# Altium PCB Control Logic.PcbDoc (continued)
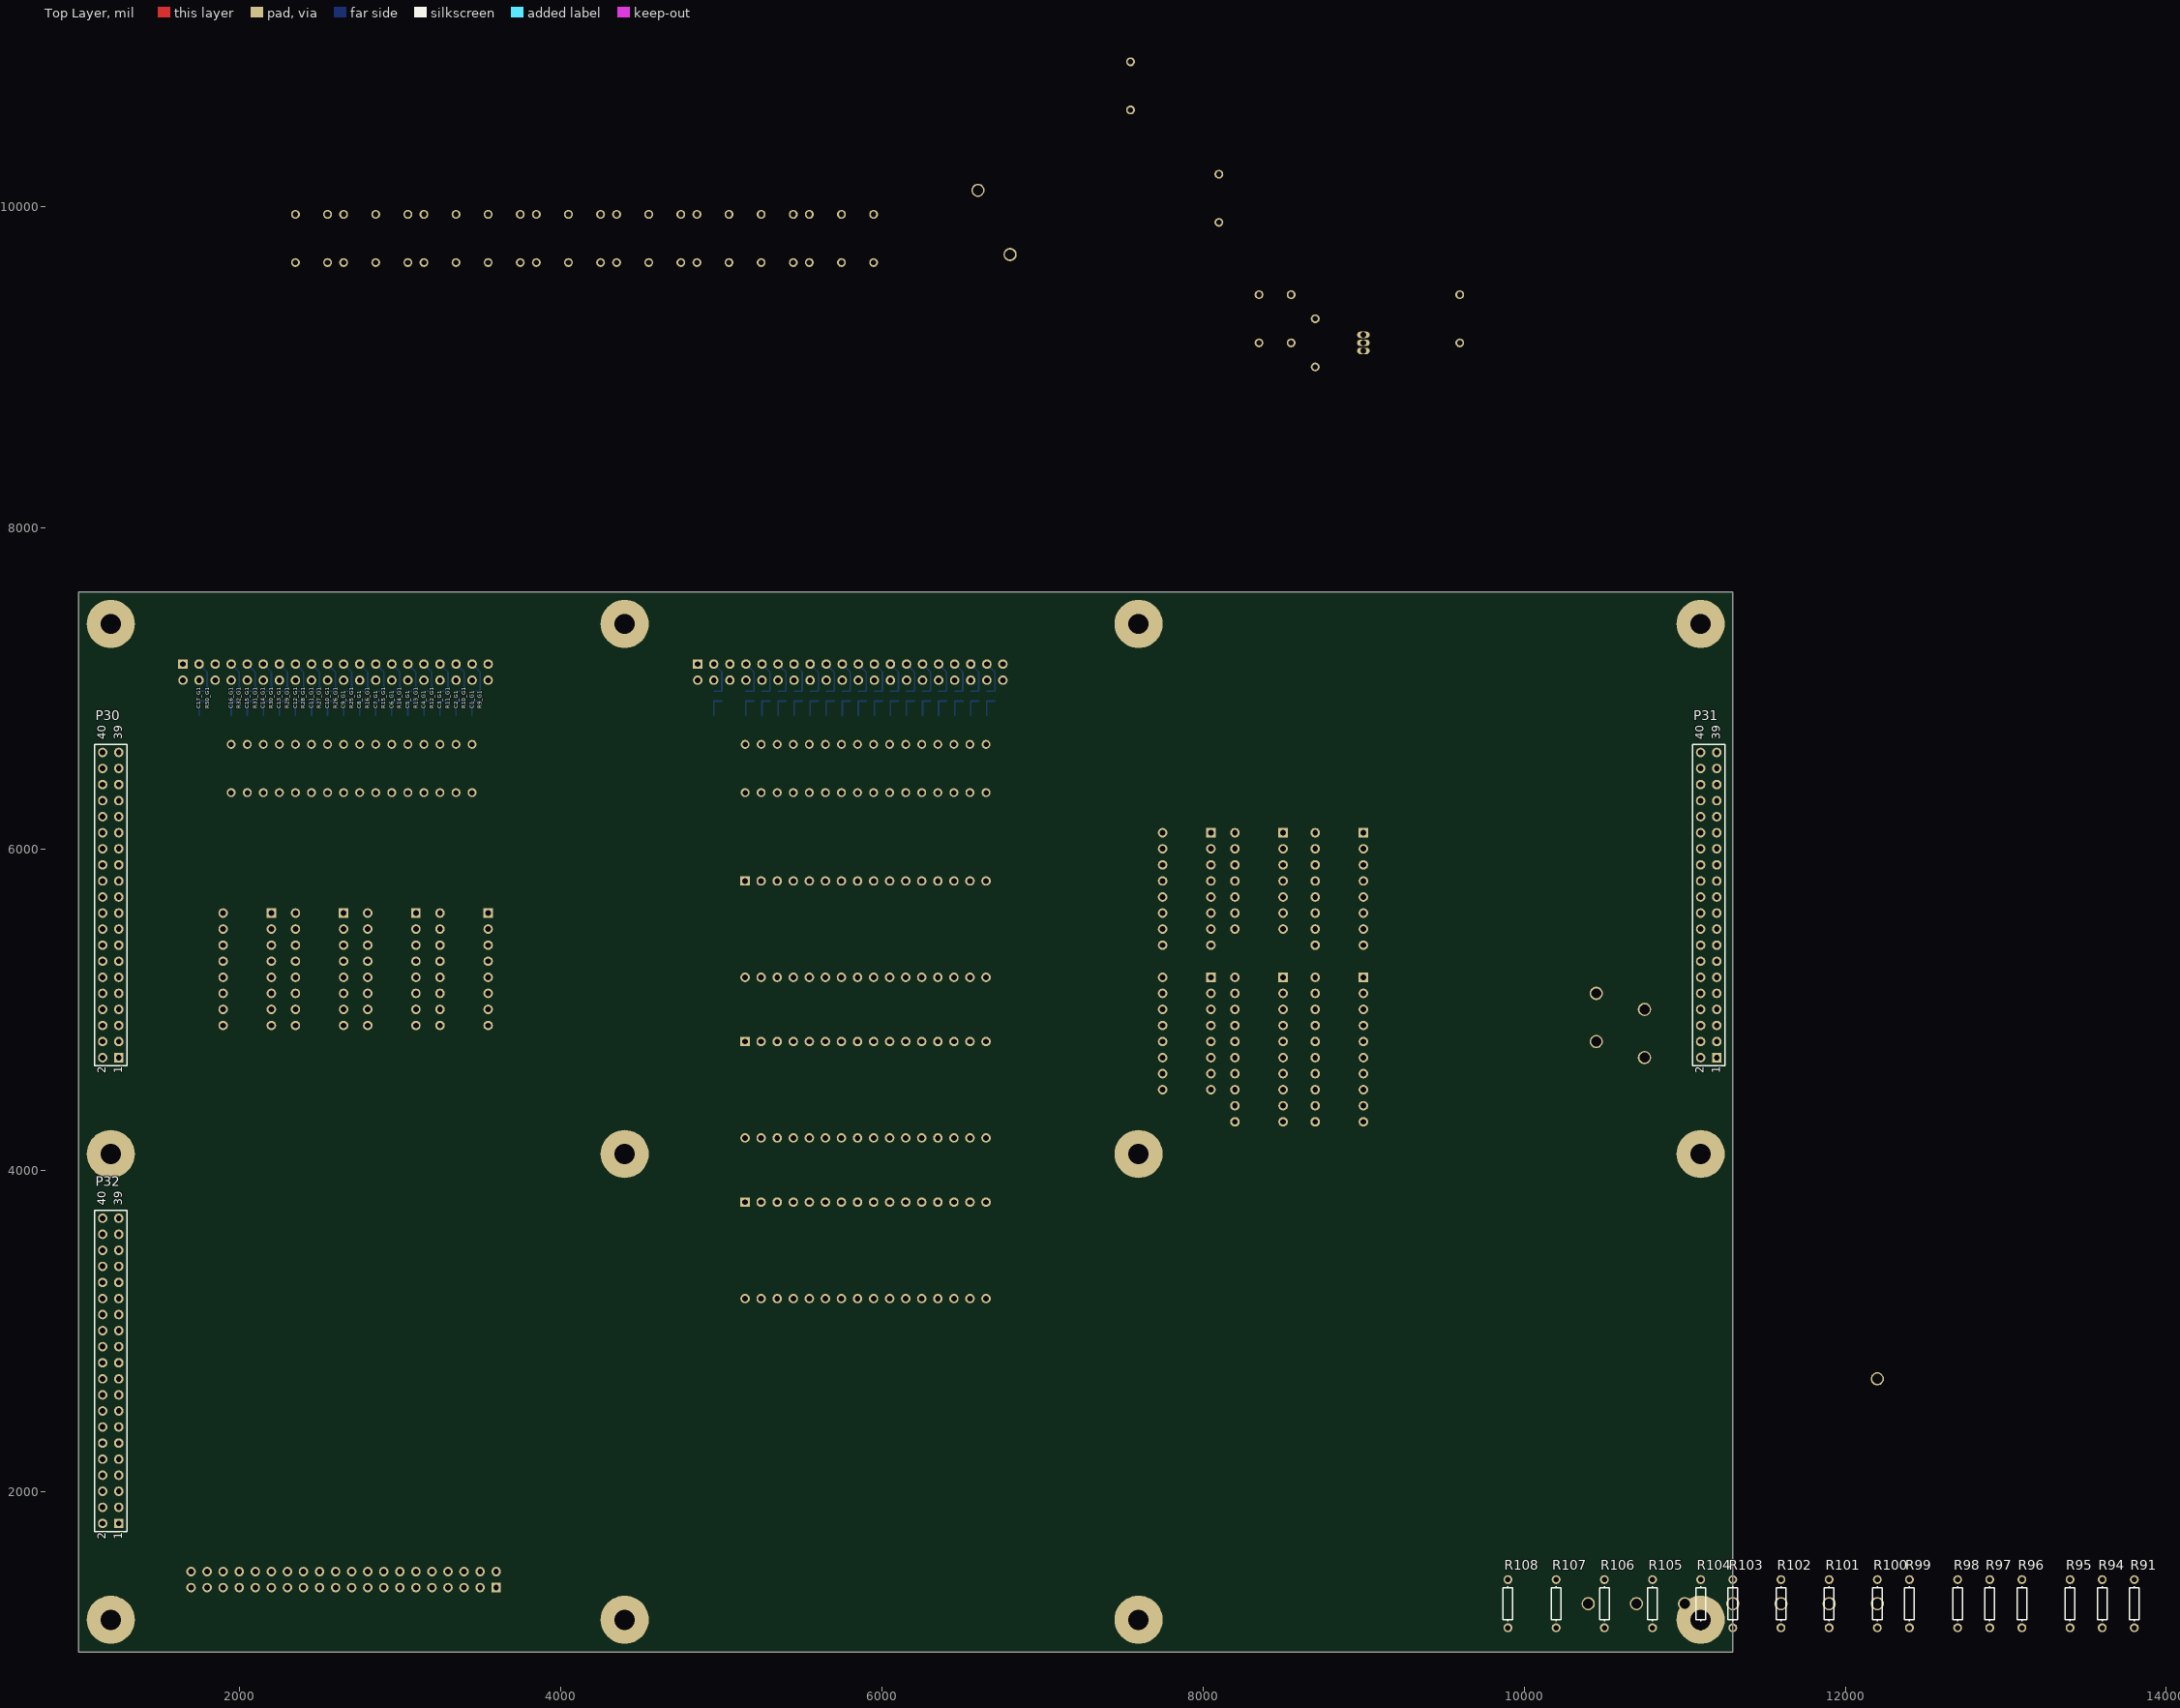
[diagram p0: Top Layer view]
## Components (designator, comment, footprint, x,y, rotation, side; value= is the part's Value field where it differs from the comment) (continued)
R63 "Res1" AXIAL-0.3 5450,6500 r90 bottom value=0
R64 "Res1" AXIAL-0.3 5350,6500 r90 bottom value=0
R65 "Res1" AXIAL-0.3 5250,6500 r90 bottom value=0
R66 "Res1" AXIAL-0.3 5150,6500 r90 bottom value=0
R67 "Res1" AXIAL-0.3 3150,9800 r90 bottom value=10k
R68 "Res1" AXIAL-0.3 4550,9800 r90 bottom value=10k
R69 "Res1" AXIAL-0.3 3050,9800 r90 bottom value=10k
R70 "Res1" AXIAL-0.3 4350,9800 r90 bottom value=10k
R71 "Res1" AXIAL-0.3 2850,9800 r90 bottom value=10k
R72 "Res1" AXIAL-0.3 4250,9800 r90 bottom value=10k
R73 "Res1" AXIAL-0.3 2650,9800 r90 bottom value=10k
R74 "Res1" AXIAL-0.3 4050,9800 r90 bottom value=10k
R75 "Res1" AXIAL-0.3 2550,9800 r90 bottom value=10k
R76 "Res1" AXIAL-0.3 2350,9800 r90 bottom value=10k
R77 "Res1" AXIAL-0.3 8550,9300 r90 bottom value=10k
R78 "Res1" AXIAL-0.3 8700,9150 r90 bottom value=10k
R79 "Res1" AXIAL-0.3 3850,9800 r90 bottom value=10k
R80 "Res1" AXIAL-0.3 5950,9800 r90 bottom value=10k
R81 "Res1" AXIAL-0.3 3750,9800 r90 bottom value=10k
R82 "Res1" AXIAL-0.3 5750,9800 r90 bottom value=10k
R83 "Res1" AXIAL-0.3 3550,9800 r90 bottom value=10k
R84 "Res1" AXIAL-0.3 5550,9800 r90 bottom value=10k
R85 "Res1" AXIAL-0.3 3350,9800 r90 bottom value=10k
R86 "Res1" AXIAL-0.3 5450,9800 r90 bottom value=10k
R87 "Res1" AXIAL-0.3 5250,9800 r90 bottom value=10k
R88 "Res1" AXIAL-0.3 5050,9800 r90 bottom value=10k
R89 "Res1" AXIAL-0.3 4850,9800 r90 bottom value=10k
R90 "Res1" AXIAL-0.3 4750,9800 r90 bottom value=10k
R91 "Res1" AXIAL-0.3 13800,1300 r90 top value=0
R92 "Res1" AXIAL-0.3 9600,9300 r90 bottom value=1k
R93 "Res1" AXIAL-0.3 7550,10750 r90 bottom value=10k
R94 "Res1" AXIAL-0.3 13600,1300 r90 top value=0
R95 "Res1" AXIAL-0.3 13400,1300 r90 top value=0
R96 "Res1" AXIAL-0.3 13100,1300 r90 top value=0
R97 "Res1" AXIAL-0.3 12900,1300 r90 top value=0
R98 "Res1" AXIAL-0.3 12700,1300 r90 top value=0
R99 "Res1" AXIAL-0.3 12400,1300 r90 top value=0
R100 "Res1" AXIAL-0.3 12200,1300 r90 top value=0
R101 "Res1" AXIAL-0.3 11900,1300 r90 top value=0
R102 "Res1" AXIAL-0.3 11600,1300 r90 top value=0
R103 "Res1" AXIAL-0.3 11300,1300 r90 top value=0
R104 "Res1" AXIAL-0.3 11100,1300 r90 top value=0
R105 "Res1" AXIAL-0.3 10800,1300 r90 top value=0
R106 "Res1" AXIAL-0.3 10500,1300 r90 top value=0
R107 "Res1" AXIAL-0.3 10200,1300 r90 top value=0
R108 "Res1" AXIAL-0.3 9900,1300 r90 top value=0
R123 "Res1" AXIAL-0.3 8100,10050 r90 bottom value=330
R124 "Res1" AXIAL-0.3 8350,9300 r90 bottom value=10
TP1 "RU#" KSTN-5011_V 6800,9700 r180 bottom
TP2 "CLK" KSTN-5011_V 6600,10100 r180 bottom
TP3 "LM#" KSTN-5011_V 10750,5000 r180 bottom
TP4 "RST#" KSTN-5011_V 10450,4800 r180 bottom
TP5 "HT#" KSTN-5011_V 10750,4700 r180 bottom
TP6 "AT#" KSTN-5011_V 10450,5100 r180 bottom
TP7 "DBG" KSTN-5011_V 12200,2700 r180 bottom
TP8 "GND" KSTN-5011_V 10400,1300 r180 bottom
TP9 "GND" KSTN-5011_V 10700,1300 r180 bottom
TP10 "GND" KSTN-5011_V 11000,1300 r180 bottom
TP11 "GND" KSTN-5011_V 11300,1300 r180 bottom
TP12 "GND" KSTN-5011_V 11600,1300 r180 bottom
TP13 "GND" KSTN-5011_V 11900,1300 r180 bottom
TP14 "VCC" KSTN-5011_V 12200,1300 r180 bottom
U1 "SST39SF010A-70-4C-PHE" MCHP-PDIP-PH32 5900,5500 r270 bottom
U2 "SST39SF010A-70-4C-PHE" MCHP-PDIP-PH32 5900,4500 r270 bottom
U3 "SST39SF010A-70-4C-PHE" MCHP-PDIP-PH32 5900,3500 r270 bottom
U4 "SN74LS163AN" N016 7900,5750 r270 bottom
U5 "SN74LS04N" N016 7900,4850 r270 bottom
U6 "SN74LS163AN" N016 8850,5750 r270 bottom
U7 "SN74LS04N" N014 8350,5800 r270 bottom
U8 "SN74LS02N" N020 8850,4750 r270 bottom
U9 "SN74LS08N" N020 8350,4750 r270 bottom
U12 "SN74LS138N" N016 3400,5250 r270 bottom
U13 "SN74LS138N" N016 2950,5250 r270 bottom
U14 "SN74LS138N" N016 2500,5250 r270 bottom
U15 "SN74LS138N" N016 2050,5250 r270 bottom
U20 "ATmega2560-16AU" 100A_M 2800,2850 r180 bottom

## Footprints (in the part's own frame and the unit in brackets; to place one, negate y for a bottom-side part, rotate by r counter-clockwise, add the part's x,y. Pads: shape width x height; smd on the part's side, far side on the other; paste and mask are expansions set on the pad)
100A_M [mm] "Thin QFP, 100-Leads, Body 14x14mm, Pitch 0.5mm, IPC Low Density"
  oval 2.1x0.3 smd: 1(-7.6,6) 2(-7.6,5.5) 3(-7.6,5) 4(-7.6,4.5) 5(-7.6,4) 6(-7.6,3.5) 7(-7.6,3) 8(-7.6,2.5) 9(-7.6,2) 10(-7.6,1.5) 11(-7.6,1) 12(-7.6,0.5) 13(-7.6,0) 14(-7.6,-0.5) 15(-7.6,-1) 16(-7.6,-1.5) 17(-7.6,-2) 18(-7.6,-2.5) 19(-7.6,-3) 20(-7.6,-3.5) 21(-7.6,-4) 22(-7.6,-4.5) 23(-7.6,-5) 24(-7.6,-5.5) 25(-7.6,-6) 51(7.6,-6) 52(7.6,-5.5) 53(7.6,-5) 54(7.6,-4.5) 55(7.6,-4) 56(7.6,-3.5) 57(7.6,-3) 58(7.6,-2.5) 59(7.6,-2) 60(7.6,-1.5) 61(7.6,-1) 62(7.6,-0.5) 63(7.6,0) 64(7.6,0.5) 65(7.6,1) 66(7.6,1.5) 67(7.6,2) 68(7.6,2.5) 69(7.6,3) 70(7.6,3.5) 71(7.6,4) 72(7.6,4.5) 73(7.6,5) 74(7.6,5.5) 75(7.6,6)
  oval 0.3x2.1 smd: 26(-6,-7.6) 27(-5.5,-7.6) 28(-5,-7.6) 29(-4.5,-7.6) 30(-4,-7.6) 31(-3.5,-7.6) 32(-3,-7.6) 33(-2.5,-7.6) 34(-2,-7.6) 35(-1.5,-7.6) 36(-1,-7.6) 37(-0.5,-7.6) 38(0,-7.6) 39(0.5,-7.6) 40(1,-7.6) 41(1.5,-7.6) 42(2,-7.6) 43(2.5,-7.6) 44(3,-7.6) 45(3.5,-7.6) 46(4,-7.6) 47(4.5,-7.6) 48(5,-7.6) 49(5.5,-7.6) 50(6,-7.6) 76(6,7.6) 77(5.5,7.6) 78(5,7.6) 79(4.5,7.6) 80(4,7.6) 81(3.5,7.6) 82(3,7.6) 83(2.5,7.6) 84(2,7.6) 85(1.5,7.6) 86(1,7.6) 87(0.5,7.6) 88(0,7.6) 89(-0.5,7.6) 90(-1,7.6) 91(-1.5,7.6) 92(-2,7.6) 93(-2.5,7.6) 94(-3,7.6) 95(-3.5,7.6) 96(-4,7.6) 97(-4.5,7.6) 98(-5,7.6) 99(-5.5,7.6) 100(-6,7.6)
  silkscreen extent -7.73,-6.15 6.15,6.82, body extent -7,-7 7,7, height 1.6
AXIAL-0.3 [mm] "Axial Device, Thru-Hole; 2 Leads; 0.3 in Pin Spacing"
  round 1.4 hole 0.85: 1(-3.81,0) 2(3.81,0)
  silkscreen extent -2.77,-0.76 2.77,0.76
HDR2X20 [mm] "Connector; Header; 20x2 Position"
  rect 1.5x1.5 hole 0.9: 1(0,0)
  round 1.5 hole 0.9: 2(0,2.54) 3(2.54,0) 4(2.54,2.54) 5(5.08,0) 6(5.08,2.54) 7(7.62,0) 8(7.62,2.54) 9(10.16,0) 10(10.16,2.54) 11(12.7,0) 12(12.7,2.54) 13(15.24,0) 14(15.24,2.54) 15(17.78,0) 16(17.78,2.54) 17(20.32,0) 18(20.32,2.54) 19(22.86,0) 20(22.86,2.54) 21(25.4,0) 22(25.4,2.54) 23(27.94,0) 24(27.94,2.54) 25(30.48,0) 26(30.48,2.54) 27(33.02,0) 28(33.02,2.54) 29(35.56,0) 30(35.56,2.54) 31(38.1,0) 32(38.1,2.54) 33(40.64,0) 34(40.64,2.54) 35(43.18,0) 36(43.18,2.54) 37(45.72,0) 38(45.72,2.54) 39(48.26,0) 40(48.26,2.54)
  silkscreen extent -1.27,-1.27 49.53,3.81
HDR2X20H [mm] "Connector; Header; 20x2 Position; Right Angle"
  rect 1.5x1.5 hole 0.9: 1(0,0)
  round 1.5 hole 0.9: 2(0,2.54) 3(2.54,0) 4(2.54,2.54) 5(5.08,0) 6(5.08,2.54) 7(7.62,0) 8(7.62,2.54) 9(10.16,0) 10(10.16,2.54) 11(12.7,0) 12(12.7,2.54) 13(15.24,0) 14(15.24,2.54) 15(17.78,0) 16(17.78,2.54) 17(20.32,0) 18(20.32,2.54) 19(22.86,0) 20(22.86,2.54) 21(25.4,0) 22(25.4,2.54) 23(27.94,0) 24(27.94,2.54) 25(30.48,0) 26(30.48,2.54) 27(33.02,0) 28(33.02,2.54) 29(35.56,0) 30(35.56,2.54) 31(38.1,0) 32(38.1,2.54) 33(40.64,0) 34(40.64,2.54) 35(43.18,0) 36(43.18,2.54) 37(45.72,0) 38(45.72,2.54) 39(48.26,0) 40(48.26,2.54)
  silkscreen extent -1.27,-6.35 49.53,-1.27
KSTN-5011_V [mm] "Test Point, Dia 3.17mm"
  round 2.1 hole 1.6: 1(0,0)
  silkscreen extent -1.59,-1.58 1.59,1.58, body extent -1.59,-1.59 1.59,1.59, height 8.13
MCHP-PDIP-PH32 [mm] "DIP, 32-Leads, Body 41.91x13.72mm, Pitch 2.54mm"
  rect 1.5x1.5 hole 0.9: 1(-7.62,19.05)
  round 1.5 hole 0.9: 2(-7.62,16.51) 3(-7.62,13.97) 4(-7.62,11.43) 5(-7.62,8.89) 6(-7.62,6.35) 7(-7.62,3.81) 8(-7.62,1.27) 9(-7.62,-1.27) 10(-7.62,-3.81) 11(-7.62,-6.35) 12(-7.62,-8.89) 13(-7.62,-11.43) 14(-7.62,-13.97) 15(-7.62,-16.51) 16(-7.62,-19.05) 17(7.62,-19.05) 18(7.62,-16.51) 19(7.62,-13.97) 20(7.62,-11.43) 21(7.62,-8.89) 22(7.62,-6.35) 23(7.62,-3.81) 24(7.62,-1.27) 25(7.62,1.27) 26(7.62,3.81) 27(7.62,6.35) 28(7.62,8.89) 29(7.62,11.43) 30(7.62,13.97) 31(7.62,16.51) 32(7.62,19.05)
  silkscreen extent -7.74,-21.05 6.45,21.05, body extent -7.76,-21.02 7.76,21.02, height 5.08
N014 [mm] "DIP; 14 Leads; Row Spacing 7.62 mm; Pitch 2.54 mm"
  rect 1.5x1.5 hole 0.9: 1(-7.62,-3.81)
  round 1.5 hole 0.9: 2(-5.08,-3.81) 3(-2.54,-3.81) 4(0,-3.81) 5(2.54,-3.81) 6(5.08,-3.81) 7(7.62,-3.81) 8(7.62,3.81) 9(5.08,3.81) 10(2.54,3.81) 11(0,3.81) 12(-2.54,3.81) 13(-5.08,3.81) 14(-7.62,3.81)
  silkscreen extent -9.85,-2.65 9.85,2.65, body extent -9.15,-5.08 9.15,5.12, height 7.88
N016 [mm] "DIP; 16 Leads; Row Spacing 7.62 mm; Pitch 2.54 mm"
  rect 1.5x1.5 hole 0.9: 1(-8.89,-3.81)
  round 1.5 hole 0.9: 2(-6.35,-3.81) 3(-3.81,-3.81) 4(-1.27,-3.81) 5(1.27,-3.81) 6(3.81,-3.81) 7(6.35,-3.81) 8(8.89,-3.81) 9(8.89,3.81) 10(6.35,3.81) 11(3.81,3.81) 12(1.27,3.81) 13(-1.27,3.81) 14(-3.81,3.81) 15(-6.35,3.81) 16(-8.89,3.81)
  silkscreen extent -9.85,-2.65 9.85,2.65
N020 [mm] "DIP; 20 Leads; Row Spacing 7.62 mm; Pitch 2.54 mm"
  rect 1.5x1.5 hole 0.9: 1(-11.43,-3.81)
  round 1.5 hole 0.9: 2(-8.89,-3.81) 3(-6.35,-3.81) 4(-3.81,-3.81) 5(-1.27,-3.81) 6(1.27,-3.81) 7(3.81,-3.81) 8(6.35,-3.81) 9(8.89,-3.81) 10(11.43,-3.81) 11(11.43,3.81) 12(8.89,3.81) 13(6.35,3.81) 14(3.81,3.81) 15(1.27,3.81) 16(-1.27,3.81) 17(-3.81,3.81) 18(-6.35,3.81) 19(-8.89,3.81) 20(-11.43,3.81)
  silkscreen extent -12.5,-2.65 12.5,2.65, body extent -13.08,-5.08 13.08,5.12, height 7.88
SMD-0603-RES [mm]
  rect 0.85x0.85 smd: 1(0,0.775) 2(0,-0.775)
  silkscreen extent -0.7,-1.2 0.7,1.2, body extent -0.4,-0.85 0.4,0.85, height 0.56
SMD-0603C [mm]
  rect 0.85x0.85 smd: 1(0,0.775) 2(0,-0.775)
  silkscreen extent -0.4,0 0.4,0, body extent -0.4,-0.8 0.4,0.8, height 0.9
TO-92A [mm] "TO, Flat Index; 3 In-Line, Axial Leads; Body Dia. 4.5mm; Leads 0.51 x 0.48 mm (max)"
  oval 2x1 hole 0.9: 1(0,-1.27) 2(0,0) 3(0,1.27)
  silkscreen extent -2.48,-2.95 1.5,2.48, body extent -2.48,-2.5 1.5,2.5, height 6.86

## Part data
C1_G1 C1_G2 C2_G1 C2_G2 C3_G1 C3_G2 C4_G1 C4_G2 C5_G1 C5_G2 C6_G1 C6_G2 C7_G1 C7_G2 C8_G1 C8_G2 C9_G1 C9_G2 C10_G1 C10_G2 C11_G1 C11_G2 C12_G1 C12_G2 C13_G1 C13_G2 C14_G1 C14_G2 C15_G1 C15_G2 C16_G1 C16_G2 C17_G1 C17_G2: library part GRM1885C1H8R2BA01D, "CAP CER 8.2PF 50V NP0 0603", Digi-Key Part Number=490-12727-1-ND, Manufacturer="Murata Electronics North America", Operating Temperature="-55°C ~ 125°C", Package / Case="0603 (1608 Metric)", Ratings=-, Temperature Coefficient="C0G, NP0", Tolerance=±0.1pF, Voltage=50V, @ qty=0, Applications="General Purpose", Datasheets=http://www.murata.com/~/media/webrenewal/support/library/catalog/products/capacitor/mlcc/c02e.pdf, Factory Stock=0, Features=-, Height - Seated (Max)=-, Image=//media.digikey.com/Renders/Murata%20Renders/ZRB-SERIES-0402.jpg, Lead Spacing=-, Lead Style=-, Minimum Quantity=1, Mounting Type="Surface Mount, MLCC", Packaging="Cut Tape (CT)", Part Number=GRM1885C1H8R2BA01D, Part Status=Active, Quantity Available=816, Series=GRM, Size / Dimension="0.063\" L x 0.031\" W (1.60mm x 0.80mm)", Thickness (Max)="0.035\" (0.90mm)", Unit Price (USD)=0.11
P1_G1 P1_G2 P1_G3: "Header, 20-Pin, Dual row, Right Angle", LatestRevisionDate=17-Jul-2002, LatestRevisionNote="Re-released for DXP Platform.", Publisher="Altium Limited"
P30 P31 P32: "Header, 20-Pin, Dual row", LatestRevisionDate=17-Jul-2002, LatestRevisionNote="Re-released for DXP Platform.", Publisher="Altium Limited", System=Connector
Q1: "NPN General Purpose Amplifier", ComponentLink1Description="Manufacturer Link", ComponentLink1URL=http://www.fairchildsemi.com/, ComponentLink2Description=Datasheet, ComponentLink2URL=http://www.fairchildsemi.com/ds/2N%2F2N3904.pdf, DatasheetVersion=1997, LatestRevisionDate=15-Jan-2003, LatestRevisionNote="PCB Footprint 'BCY-W3/D4.7' replaced", PackageDescription="TO, Flat Index; 3 In-Line, Axial Leads; Body Dia. 4.5mm; Leads 0.51 x 0.48 mm (max)", PackageReference=TO-92A, PackageVersion=Sep-1998, Published=8-Jun-2000, Publisher="Altium Limited"
R1_G1 R1_G2 R2_G1 R2_G2 R3_G1 R3_G2 R4_G1 R4_G2 R5_G1 R5_G2 R6_G1 R6_G2 R7_G1 R7_G2 R8_G1 R8_G2 R17_G1 R17_G2 R18_G1 R18_G2 R19_G1 R19_G2 R20_G1 R20_G2 R21_G1 R21_G2 R22_G1 R22_G2 R23_G1 R23_G2 R24_G1 R24_G2 R49_G1 R49_G2: library part ERJ-3EKF2490V, "RES SMD 249 OHM 1% 1/10W 0603", Digi-Key Part Number=P249HCT-ND, Manufacturer="Panasonic Electronic Components", Operating Temperature="-55°C ~ 155°C", Package / Case="0603 (1608 Metric)", Power (Watts)="0.1W, 1/10W", Supplier Device Package=0603, Temperature Coefficient=±100ppm/°C, Tolerance=±1%, @ qty=1500, Composition="Thick Film", Datasheets=http://industrial.panasonic.com/www-cgi/jvcr13pz.cgi?E+PZ+3+AOA0002+ERJ3EKF2490V+7+WW, Factory Stock=0, Failure Rate=-, Features="Automotive AEC-Q200", Height - Seated (Max)="0.022\" (0.55mm)", Image=//media.digikey.com/Photos/Panasonic%20Photos/MFG_ERJ-P6W%20Series.jpg, Minimum Quantity=1, Number of Terminations=2, Packaging="Cut Tape (CT)", Part Number=ERJ-3EKF2490V, Part Status=Active, Quantity Available=112432, Series=ERJ, Size / Dimension="0.063\" L x 0.031\" W (1.60mm x 0.80mm)", Unit Price (USD)=0.00379
R9_G1 R9_G2 R10_G1 R10_G2 R11_G1 R11_G2 R12_G1 R12_G2 R13_G1 R13_G2 R14_G1 R14_G2 R15_G1 R15_G2 R16_G1 R16_G2 R25_G1 R25_G2 R26_G1 R26_G2 R27_G1 R27_G2 R28_G1 R28_G2 R29_G1 R29_G2 R30_G1 R30_G2 R31_G1 R31_G2 R32_G1 R32_G2 R50_G1 R50_G2: library part ERJ-3EKF9092V, "RES SMD 90.9K OHM 1% 1/10W 0603", Digi-Key Part Number=P90.9KHCT-ND, Manufacturer="Panasonic Electronic Components", Operating Temperature="-55°C ~ 155°C", Package / Case="0603 (1608 Metric)", Power (Watts)="0.1W, 1/10W", Supplier Device Package=0603, Temperature Coefficient=±100ppm/°C, Tolerance=±1%, @ qty=1500, Composition="Thick Film", Datasheets=http://industrial.panasonic.com/www-cgi/jvcr13pz.cgi?E+PZ+3+AOA0002+ERJ3EKF9092V+7+WW, Factory Stock=0, Failure Rate=-, Features="Automotive AEC-Q200", Height - Seated (Max)="0.022\" (0.55mm)", Image=//media.digikey.com/Photos/Panasonic%20Photos/MFG_ERJ-P6W%20Series.jpg, Minimum Quantity=1, Number of Terminations=2, Packaging="Cut Tape (CT)", Part Number=ERJ-3EKF9092V, Part Status=Active, Quantity Available=254781, Series=ERJ, Size / Dimension="0.063\" L x 0.031\" W (1.60mm x 0.80mm)", Unit Price (USD)=0.00379
R33 R34 R35 R36 R37 R38 R39 R40 R41 R42 R43 R44 R45 R46 R47 R48 R51 R52 R53 R54 R55 R56 R57 R58 R59 R60 R61 R62 R63 R64 R65 R66 R67 R68 R69 R70 R71 R72 R73 R74 R75 R76 R77 R78 R79 R80 R81 R82 R83 R84 R85 R86 R87 R88 R89 R90 R91 R92 R93 R94 R95 R96 R97 R98 R99 R100 R101 R102 R103 R104 R105 R106 R107 R108 R123 R124: "Resistor", LatestRevisionDate=17-Jul-2002, LatestRevisionNote="Re-released for DXP Platform.", PackageDescription="Axial Device, Thru-Hole; 2 Leads; 0.3 in Pin Spacing", PackageReference=AXIAL-0.3, Published=8-Jun-2000, Publisher="Altium Limited"
TP1 TP2 TP3 TP4 TP5 TP6 TP7 TP8 TP9 TP10 TP11 TP12 TP13 TP14: library part TP
U1 U2 U3: library part CMP-0378-00001-1, "1 Mbit Multi-Purpose Flash, 4.5 to 5.5 V, 1 kHz, 0 to 70 degC, 32-pin PDIP (PH32), Tube", Manufacturer=Microchip, Code_JEDEC=MO-015, ComponentLink1Description="Manufacturer URL", ComponentLink1URL=http://www.microchip.com, ComponentLink2Description=Datasheet, ComponentLink2URL=http://ww1.microchip.com/downloads/en/DeviceDoc/25022A.pdf, ComponentLink3Description="Package Specification", ComponentLink3URL=http://ww1.microchip.com/downloads/en/DeviceDoc/25022A.pdf, ComponentLink4Description="Product URL", ComponentLink4URL=http://www.microchip.com/SST39SF010A, DatasheetVersion="Rev. A", Mounting Technology="Through Hole", PackageDescription="32-Pin Plastic Dual In-line Pins, Row Spacing 15.24 mm, 41.91 x 13.72 mm Body, 2.54 mm Pitch", PackageReference=PDIP-PH32, PackageVersion="Rev. A", PartNumber=SST39SF010A-70-4C-PHE
U4 U6: "Synchronous 4-Bit Counter", Code_JEDEC=MS-001-BB, ComponentLink1Description="Manufacturer Link", ComponentLink1URL=http://www.ti.com/, ComponentLink2Description=Datasheet, ComponentLink2URL=http://www-s.ti.com/sc/ds/sn74ls161a.pdf, ComponentLink3Description="URL Link1", ComponentLink3URL=http://focus.ti.com/docs/prod/folders/print/sn74ls163a.html, DatasheetVersion=Mar-1988, LatestRevisionDate=04-Mar-2005, LatestRevisionNote="Stylized 3D Model Added.", PackageDescription="DIP; 16 Leads; Row Spacing 7.62 mm; Pitch 2.54 mm", PackageReference=N016, PackageVersion=Oct-1995, Published=8-Jun-2000, Publisher="Altium Limited"
U5 U7: "Hex Inverter", ComponentLink1Description="Manufacturer Link", ComponentLink1URL=http://www.ti.com/, ComponentLink2Description=Datasheet, ComponentLink2URL=http://www-s.ti.com/sc/ds/sn74ls04.pdf, DatasheetVersion=Mar-1988, LatestRevisionDate=04-Mar-2005, LatestRevisionNote="Stylized 3D Model Added.", PackageDescription="DIP; 14 Leads; Row Spacing 7.62 mm; Pitch 2.54 mm", PackageReference=N014, PackageVersion=Oct-1995, Published=8-Jun-2000, Publisher="Altium Limited"
U8: "Quadruple 2-Input Positive-NOR Gate", ComponentLink1Description="Manufacturer Link", ComponentLink1URL=http://www.ti.com/, ComponentLink2Description=Datasheet, ComponentLink2URL=http://www-s.ti.com/sc/ds/sn54s02.pdf, DatasheetVersion=Mar-1988, LatestRevisionDate=04-Mar-2005, LatestRevisionNote="Stylized 3D Model Added.", PackageDescription="DIP; 14 Leads; Row Spacing 7.62 mm; Pitch 2.54 mm", PackageReference=N014, PackageVersion=Oct-1995, Published=8-Jun-2000, Publisher="Altium Limited"
U9: "Quadruple 2-Input Positive-AND Gate", ComponentLink1Description="Manufacturer Link", ComponentLink1URL=http://www.ti.com/, ComponentLink2Description=Datasheet, ComponentLink2URL=http://www-s.ti.com/sc/ds/SN74LS08.pdf, DatasheetVersion=Mar-1988, LatestRevisionDate=04-Mar-2005, LatestRevisionNote="Stylized 3D Model Added.", PackageDescription="DIP; 14 Leads; Row Spacing 7.62 mm; Pitch 2.54 mm", PackageReference=N014, PackageVersion=Oct-1995, Published=8-Jun-2000, Publisher="Altium Limited"
U12 U13 U14 U15: "3-Line to 8-Line Decoder / Demultiplexer", Code_JEDEC=MS-001-BB, ComponentLink1Description="Manufacturer Link", ComponentLink1URL=http://www.ti.com/, ComponentLink2Description=Datasheet, ComponentLink2URL=http://www-s.ti.com/sc/ds/sn74ls138.pdf, DatasheetVersion=Mar-1988, LatestRevisionDate=04-Mar-2005, LatestRevisionNote="Stylized 3D Model Added.", PackageDescription="DIP; 16 Leads; Row Spacing 7.62 mm; Pitch 2.54 mm", PackageReference=N016, PackageVersion=Oct-1995, Published=8-Jun-2000, Publisher="Altium Limited"
U20: library part CMP-0095-00210-2, "8-bit AVR Microcontroller, 4.5-5.5V, 16MHz, 256KB Flash, 4KB EEPROM, 8KB SRAM, 86 GPIO pins, 100-pin TQFP, Industrial Grade (-40°C to 85°C), Pb-Free", Code_JEDEC=MS-026-AED, ComponentLink1Description="Manufacturer URL", ComponentLink1URL=http://www.atmel.com/, ComponentLink2Description="ATmega640/1280/1281/2560/2561 Datasheet", ComponentLink2URL=http://www.atmel.com/dyn/resources/prod_documents/doc2549.pdf, ComponentLink3Description="ATmega640/1280/1281/2560/2561 Summary", ComponentLink3URL=http://www.atmel.com/dyn/resources/prod_documents/2549S.pdf, DatasheetVersion="revN, May-2011", PackageDescription="100-Pin Thin Profile Plastic Quad Flat Pack (TQFP), 14 x 14 x 1.0 mm Body, 0.5 mm Pitch", PackageReference=100A, PackageVersion="revD, Oct-2010", RevisionNote="DatasheetVersion & PackageVersion updated. URLs added."

## Free pads (board coordinates)
  round 300 hole 126: 11(1200,1200) 11(1200,4100) 11(1200,7400) 11(4400,1200) 11(4400,4100) 11(4400,7400) 11(7600,1200) 11(7600,4100) 11(7600,7400) 11(11100,1200) 11(11100,4100) 11(11100,7400)

## Nets (pads, with @x,y where several pads share a name; then routed paths per layer and width w, separated by ;. In a path a pad name is that pad's centre, name@x,y a point inside that pad or via, vN(x,y) a via of type N, cw(c..) or ccw(c..) an arc to the next point about the centre after c; other vN are vias at no path point)
ADDR0: P32.5 R91.1
ADDR1: P32.7 R94.1
ADDR2: P32.9 R95.1
ADDR3: P32.11 R96.1
ADDR4: P32.13 R97.1
ADDR5: P32.15 R98.1
ADDR6: P32.17 R99.1
ADDR7: P32.19 R100.1
ADDR8: P32.21 R101.1
ADDR9: P32.23 R102.1
ADDR10: P32.25 R103.1
ADDR11: P32.27 R104.1
ADDR12: P32.29 R105.1
ADDR13: P32.31 R106.1
ADDR14: P32.33 R107.1
ADDR15: P32.35 R108.1
ADDR16: P32.37
ADDR17: P32.39
ADDR18: P32.22
ADDR19: P32.24
AI#: P30.26 U14.10
ALU0: P31.34 R59.1 R68.2 U2.13 U20.78
ALU1: P31.36 R60.1 R70.2 U2.14 U20.77
ALU2: P31.38 R61.1 R72.2 U2.15 U20.76
ALU3: P31.40 R62.1 R74.2 U2.17 U20.75
AO#: P30.32 U12.12
AT#: P31.9 R86.1 TP6.1 U3.17 U20.44
BI#: P30.28 U14.9
BO#: P30.34 U12.11
BUS0: P32.6 U20.53
BUS1: P32.8 U20.54
BUS2: P32.10 U20.55
BUS3: P32.12 U20.56
BUS4: P32.14 U20.57
BUS5: P32.16 U20.58
BUS6: P32.18 U20.59
BUS7: P32.20 U20.60
CE#: P30.25 R79.1 U2.18 U20.74
CLK: P31.6 R49_G1.1 R49_G2.1 TP2.1 U5.5 U20.43
CLK#: U4.2 U5.6 U6.2
CLKR_G1: C17_G1.2 P1_G1.3 R50_G1.2 | length 240.2
  Bottom Layer w10: C17_G1.2 R50_G1.2 1800,7100 P1_G1.3
CLKR_G2: C17_G2.2 P1_G2.3 R50_G2.2 | length 240.2
  Bottom Layer w10: C17_G2.2 R50_G2.2 5005.01,7100 P1_G2.3
CLKR_G3: P1_G3.3
CO: P31.31 R63.1 U1.29 U2.29 U3.29
DBG: TP7.1 U5.1 U20.45
DI#: P30.18 U15.9
DO#: P30.24 U13.12
DR0_G1: C1_G1.2 P1_G1.37 R9_G1.2 | length 240.2
  Bottom Layer w10: C1_G1.2 R9_G1.2 3500,7100 P1_G1.37
DR0_G2: C1_G2.2 P1_G2.37 R9_G2.2 | length 240.2
  Bottom Layer w10: C1_G2.2 R9_G2.2 6705.01,7100 P1_G2.37
DR0_G3: P1_G3.37
DR1_G1: C2_G1.2 P1_G1.35 R10_G1.2 | length 240.2
  Bottom Layer w10: C2_G1.2 R10_G1.2 3400,7100 P1_G1.35
DR1_G2: C2_G2.2 P1_G2.35 R10_G2.2 | length 240.2
  Bottom Layer w10: C2_G2.2 R10_G2.2 6605.01,7100 P1_G2.35
DR1_G3: P1_G3.35
DR2_G1: C3_G1.2 P1_G1.33 R11_G1.2 | length 240.2
  Bottom Layer w10: C3_G1.2 R11_G1.2 3300,7100 P1_G1.33
DR2_G2: C3_G2.2 P1_G2.33 R11_G2.2 | length 240.2
  Bottom Layer w10: C3_G2.2 R11_G2.2 6505.01,7100 P1_G2.33
DR2_G3: P1_G3.33
DR3_G1: C4_G1.2 P1_G1.31 R12_G1.2 | length 240.2
  Bottom Layer w10: C4_G1.2 R12_G1.2 3200,7100 P1_G1.31
DR3_G2: C4_G2.2 P1_G2.31 R12_G2.2 | length 240.2
  Bottom Layer w10: C4_G2.2 R12_G2.2 6405.01,7100 P1_G2.31
DR3_G3: P1_G3.31
DR4_G1: C5_G1.2 P1_G1.29 R13_G1.2 | length 240.2
  Bottom Layer w10: C5_G1.2 R13_G1.2 3100,7100 P1_G1.29
DR4_G2: C5_G2.2 P1_G2.29 R13_G2.2 | length 240.2
  Bottom Layer w10: C5_G2.2 R13_G2.2 6305.01,7100 P1_G2.29
DR4_G3: P1_G3.29
DR5_G1: C6_G1.2 P1_G1.27 R14_G1.2 | length 240.2
  Bottom Layer w10: C6_G1.2 R14_G1.2 3000,7100 P1_G1.27
DR5_G2: C6_G2.2 P1_G2.27 R14_G2.2 | length 240.2
  Bottom Layer w10: C6_G2.2 R14_G2.2 6205.01,7100 P1_G2.27
DR5_G3: P1_G3.27
DR6_G1: C7_G1.2 P1_G1.25 R15_G1.2 | length 240.2
  Bottom Layer w10: C7_G1.2 R15_G1.2 2900,7100 P1_G1.25
DR6_G2: C7_G2.2 P1_G2.25 R15_G2.2 | length 240.2
  Bottom Layer w10: C7_G2.2 R15_G2.2 6105.01,7100 P1_G2.25
DR6_G3: P1_G3.25
DR7_G1: C8_G1.2 P1_G1.23 R16_G1.2 | length 240.2
  Bottom Layer w10: C8_G1.2 R16_G1.2 2800,7100 P1_G1.23
DR7_G2: C8_G2.2 P1_G2.23 R16_G2.2 | length 240.2
  Bottom Layer w10: C8_G2.2 R16_G2.2 6005.01,7100 P1_G2.23
DR7_G3: P1_G3.23
DR8_G1: C9_G1.2 P1_G1.21 R25_G1.2 | length 240.2
  Bottom Layer w10: C9_G1.2 R25_G1.2 2700,7100 P1_G1.21
DR8_G2: C9_G2.2 P1_G2.21 R25_G2.2 | length 240.2
  Bottom Layer w10: C9_G2.2 R25_G2.2 5905.01,7100 P1_G2.21
DR8_G3: P1_G3.21
DR9_G1: C10_G1.2 P1_G1.19 R26_G1.2 | length 240.2
  Bottom Layer w10: C10_G1.2 R26_G1.2 2600,7100 P1_G1.19
DR9_G2: C10_G2.2 P1_G2.19 R26_G2.2 | length 240.2
  Bottom Layer w10: C10_G2.2 R26_G2.2 5805.01,7100 P1_G2.19
DR9_G3: P1_G3.19
DR10_G1: C11_G1.2 P1_G1.17 R27_G1.2 | length 240.2
  Bottom Layer w10: C11_G1.2 R27_G1.2 2500,7100 P1_G1.17
DR10_G2: C11_G2.2 P1_G2.17 R27_G2.2 | length 240.2
  Bottom Layer w10: C11_G2.2 R27_G2.2 5705.01,7100 P1_G2.17
DR10_G3: P1_G3.17
DR11_G1: C12_G1.2 P1_G1.15 R28_G1.2 | length 240.2
  Bottom Layer w10: C12_G1.2 R28_G1.2 2400,7100 P1_G1.15
DR11_G2: C12_G2.2 P1_G2.15 R28_G2.2 | length 240.2
  Bottom Layer w10: C12_G2.2 R28_G2.2 5605.01,7100 P1_G2.15
DR11_G3: P1_G3.15
DR12_G1: C13_G1.2 P1_G1.13 R29_G1.2 | length 240.2
  Bottom Layer w10: C13_G1.2 R29_G1.2 2300,7100 P1_G1.13
DR12_G2: C13_G2.2 P1_G2.13 R29_G2.2 | length 240.2
  Bottom Layer w10: C13_G2.2 R29_G2.2 5505.01,7100 P1_G2.13
DR12_G3: P1_G3.13
DR13_G1: C14_G1.2 P1_G1.11 R30_G1.2 | length 240.2
  Bottom Layer w10: C14_G1.2 R30_G1.2 2200,7100 P1_G1.11
DR13_G2: C14_G2.2 P1_G2.11 R30_G2.2 | length 240.2
  Bottom Layer w10: C14_G2.2 R30_G2.2 5405.01,7100 P1_G2.11
DR13_G3: P1_G3.11
DR14_G1: C15_G1.2 P1_G1.9 R31_G1.2 | length 240.2
  Bottom Layer w10: C15_G1.2 R31_G1.2 2100,7100 P1_G1.9
DR14_G2: C15_G2.2 P1_G2.9 R31_G2.2 | length 240.2
  Bottom Layer w10: C15_G2.2 R31_G2.2 5305.01,7100 P1_G2.9
DR14_G3: P1_G3.9
DR15_G1: C16_G1.2 P1_G1.7 R32_G1.2 | length 240.2
  Bottom Layer w10: C16_G1.2 R32_G1.2 2000,7100 P1_G1.7
DR15_G2: C16_G2.2 P1_G2.7 R32_G2.2 | length 240.2
  Bottom Layer w10: C16_G2.2 R32_G2.2 5205.01,7100 P1_G2.7
DR15_G3: P1_G3.7
DS#: P30.12 R84.1 U3.15 U20.68
F4: P31.35
FI#: P31.32 R81.1 U2.19 U20.73
GND: P1_G1.4 P1_G1.6 P1_G1.8 P1_G1.10 P1_G1.12 P1_G1.14 P1_G1.16 P1_G1.18 P1_G1.20 P1_G1.22 P1_G1.24 P1_G1.26 P1_G1.28 P1_G1.30 P1_G1.32 P1_G1.34 P1_G1.36 P1_G1.38 P1_G2.4 P1_G2.6 P1_G2.8 P1_G2.10 P1_G2.12 P1_G2.14 P1_G2.16 P1_G2.18 P1_G2.20 P1_G2.22 P1_G2.24 P1_G2.26 P1_G2.28 P1_G2.30 P1_G2.32 P1_G2.34 P1_G2.36 P1_G2.38 P1_G3.4 P1_G3.6 P1_G3.8 P1_G3.10 P1_G3.12 P1_G3.14 P1_G3.16 P1_G3.18 P1_G3.20 P1_G3.22 P1_G3.24 P1_G3.26 P1_G3.28 P1_G3.30 P1_G3.32 P1_G3.34 P1_G3.36 P1_G3.38 P30.3 P30.4 P32.3 P32.4 Q1.1 R67.1 R68.1 R69.1 R70.1 R71.1 R72.1 R73.1 R74.1 R75.1 R76.1 R77.1 R78.1 R93.2 TP8.1 TP9.1 TP10.1 TP11.1 TP12.1 TP13.1 U1.16 U1.24 U2.16 U2.24 U3.16 U3.24 U4.3 U4.4 U4.5 U4.6 U4.8 U5.7 U6.3 U6.4 U6.5 U6.6 U6.8 U7.7 U8.7 U9.7 U12.5 U12.8 U13.4 U13.5 U13.8 U14.5 U14.8 U15.4 U15.5 U15.8
HI#: P30.30 U14.7
HO#: P30.36 U13.15
HT#: P31.5 R124.1 TP5.1
I15#: U15.7
IC: U9.6
II#: P30.6 U14.13
IN0: R51.1 R75.2 U1.18 U14.1 U15.1 U20.85
IN1: R52.1 R76.2 U1.19 U14.2 U15.2 U20.84
IN2: R53.1 R77.2 U1.20 U14.3 U15.3 U20.83
IN3: R54.1 R78.2 U1.21 U20.82
INST0: P30.19 R33.1 U1.6 U2.6 U3.6
INST1: P30.17 R34.1 U1.5 U2.5 U3.5
INST2: P30.15 R35.1 U1.27 U2.27 U3.27
INST3: P30.13 R36.1 U1.26 U2.26 U3.26
INST4: P30.11 R37.1 U1.23 U2.23 U3.23
INST5: P30.9 R38.1 U1.25 U2.25 U3.25
INST6: P30.7 R39.1 U1.4 U2.4 U3.4
INST7: P30.5 R40.1 U1.28 U2.28 U3.28
IS#: P30.10 R82.1 U3.14 U20.69
JI#: P30.14 U15.11
JO#: P30.20 U13.14
KI#: P30.16 U15.10
KO#: P30.22 U13.13
LM#: P31.10 R83.1 TP3.1 U2.20 U20.72
LOGIC.D0_G1: R1_G1.1 R33.2
LOGIC.D0_G2: R1_G2.1 R51.2
LOGIC.D0_G3: R91.2
LOGIC.D1_G1: R2_G1.1 R34.2
LOGIC.D1_G2: R2_G2.1 R52.2
LOGIC.D1_G3: R94.2
LOGIC.D2_G1: R3_G1.1 R35.2
LOGIC.D2_G2: R3_G2.1 R53.2
LOGIC.D2_G3: R95.2
LOGIC.D3_G1: R4_G1.1 R36.2
LOGIC.D3_G2: R4_G2.1 R54.2
LOGIC.D3_G3: R96.2
LOGIC.D4_G1: R5_G1.1 R37.2
LOGIC.D4_G2: R5_G2.1 R55.2
LOGIC.D4_G3: R97.2
LOGIC.D5_G1: R6_G1.1 R38.2
LOGIC.D5_G2: R6_G2.1 R56.2
LOGIC.D5_G3: R98.2
LOGIC.D6_G1: R7_G1.1 R39.2
LOGIC.D6_G2: R7_G2.1 R57.2
LOGIC.D6_G3: R99.2
LOGIC.D7_G1: R8_G1.1 R40.2
LOGIC.D7_G2: R8_G2.1 R58.2
LOGIC.D7_G3: R100.2
LOGIC.D8_G1: R17_G1.1 R41.2
LOGIC.D8_G2: R17_G2.1 R59.2
LOGIC.D8_G3: R101.2
LOGIC.D9_G1: R18_G1.1 R42.2
LOGIC.D9_G2: R18_G2.1 R60.2
LOGIC.D9_G3: R102.2
LOGIC.D10_G1: R19_G1.1 R43.2
LOGIC.D10_G2: R19_G2.1 R61.2
LOGIC.D10_G3: R103.2
LOGIC.D11_G1: R20_G1.1 R44.2
LOGIC.D11_G2: R20_G2.1 R62.2
LOGIC.D11_G3: R104.2
LOGIC.D12_G1: R21_G1.1 R45.2
LOGIC.D12_G2: R21_G2.1 R63.2
LOGIC.D12_G3: R105.2
LOGIC.D13_G1: R22_G1.1 R46.2
LOGIC.D13_G2: R22_G2.1 R64.2
LOGIC.D13_G3: R106.2
LOGIC.D14_G1: R23_G1.1 R47.2
LOGIC.D14_G2: R23_G2.1 R65.2
LOGIC.D14_G3: R107.2
LOGIC.D15_G1: R24_G1.1 R48.2
LOGIC.D15_G2: R24_G2.1 R66.2
LOGIC.D15_G3: R108.2
MA#: P30.40 U15.15
MC#: P30.8 R80.1 U3.13 U20.79
MEM_LOAD: P30.27
MEM_OUT#: P30.29
MI#: P30.37 U15.14
MO#: P30.31 U12.10
NetC1_G1_1: C1_G1.1 R1_G1.2 R9_G1.1 | length 139
  Bottom Layer w10: R1_G1.2 C1_G1.1 R9_G1.1
NetC1_G2_1: C1_G2.1 R1_G2.2 R9_G2.1 | length 139
  Bottom Layer w10: R1_G2.2 C1_G2.1 R9_G2.1
NetC1_G3_1: 
NetC2_G1_1: C2_G1.1 R2_G1.2 R10_G1.1 | length 139
  Bottom Layer w10: R2_G1.2 C2_G1.1 R10_G1.1
NetC2_G2_1: C2_G2.1 R2_G2.2 R10_G2.1 | length 139
  Bottom Layer w10: R2_G2.2 C2_G2.1 R10_G2.1
NetC2_G3_1: 
NetC3_G1_1: C3_G1.1 R3_G1.2 R11_G1.1 | length 139
  Bottom Layer w10: R3_G1.2 C3_G1.1 R11_G1.1
NetC3_G2_1: C3_G2.1 R3_G2.2 R11_G2.1 | length 139
  Bottom Layer w10: R3_G2.2 C3_G2.1 R11_G2.1
NetC3_G3_1: 
NetC4_G1_1: C4_G1.1 R4_G1.2 R12_G1.1 | length 139
  Bottom Layer w10: R4_G1.2 C4_G1.1 R12_G1.1
NetC4_G2_1: C4_G2.1 R4_G2.2 R12_G2.1 | length 139
  Bottom Layer w10: R4_G2.2 C4_G2.1 R12_G2.1
NetC4_G3_1: 
NetC5_G1_1: C5_G1.1 R5_G1.2 R13_G1.1 | length 139
  Bottom Layer w10: R5_G1.2 C5_G1.1 R13_G1.1
NetC5_G2_1: C5_G2.1 R5_G2.2 R13_G2.1 | length 139
  Bottom Layer w10: R5_G2.2 C5_G2.1 R13_G2.1
NetC5_G3_1: 
NetC6_G1_1: C6_G1.1 R6_G1.2 R14_G1.1 | length 139
  Bottom Layer w10: R6_G1.2 C6_G1.1 R14_G1.1
NetC6_G2_1: C6_G2.1 R6_G2.2 R14_G2.1 | length 139
  Bottom Layer w10: R6_G2.2 C6_G2.1 R14_G2.1
NetC6_G3_1: 
NetC7_G1_1: C7_G1.1 R7_G1.2 R15_G1.1 | length 139
  Bottom Layer w10: R7_G1.2 C7_G1.1 R15_G1.1
NetC7_G2_1: C7_G2.1 R7_G2.2 R15_G2.1 | length 139
  Bottom Layer w10: R7_G2.2 C7_G2.1 R15_G2.1
NetC7_G3_1: 
NetC8_G1_1: C8_G1.1 R8_G1.2 R16_G1.1 | length 139
  Bottom Layer w10: R8_G1.2 C8_G1.1 R16_G1.1
NetC8_G2_1: C8_G2.1 R8_G2.2 R16_G2.1 | length 139
  Bottom Layer w10: R8_G2.2 C8_G2.1 R16_G2.1
NetC8_G3_1: 
NetC9_G1_1: C9_G1.1 R17_G1.2 R25_G1.1 | length 139
  Bottom Layer w10: R17_G1.2 C9_G1.1 R25_G1.1
NetC9_G2_1: C9_G2.1 R17_G2.2 R25_G2.1 | length 139
  Bottom Layer w10: R17_G2.2 C9_G2.1 R25_G2.1
NetC9_G3_1: 
NetC10_G1_1: C10_G1.1 R18_G1.2 R26_G1.1 | length 139
  Bottom Layer w10: R18_G1.2 C10_G1.1 R26_G1.1
NetC10_G2_1: C10_G2.1 R18_G2.2 R26_G2.1 | length 139
  Bottom Layer w10: R18_G2.2 C10_G2.1 R26_G2.1
NetC10_G3_1: 
NetC11_G1_1: C11_G1.1 R19_G1.2 R27_G1.1 | length 139
  Bottom Layer w10: R19_G1.2 C11_G1.1 R27_G1.1
NetC11_G2_1: C11_G2.1 R19_G2.2 R27_G2.1 | length 139
  Bottom Layer w10: R19_G2.2 C11_G2.1 R27_G2.1
NetC11_G3_1: 
NetC12_G1_1: C12_G1.1 R20_G1.2 R28_G1.1 | length 139
  Bottom Layer w10: R20_G1.2 C12_G1.1 R28_G1.1
NetC12_G2_1: C12_G2.1 R20_G2.2 R28_G2.1 | length 139
  Bottom Layer w10: R20_G2.2 C12_G2.1 R28_G2.1
NetC12_G3_1: 
NetC13_G1_1: C13_G1.1 R21_G1.2 R29_G1.1 | length 139
  Bottom Layer w10: R21_G1.2 C13_G1.1 R29_G1.1
NetC13_G2_1: C13_G2.1 R21_G2.2 R29_G2.1 | length 139
  Bottom Layer w10: R21_G2.2 C13_G2.1 R29_G2.1
NetC13_G3_1: 
NetC14_G1_1: C14_G1.1 R22_G1.2 R30_G1.1 | length 139
  Bottom Layer w10: R22_G1.2 C14_G1.1 R30_G1.1
NetC14_G2_1: C14_G2.1 R22_G2.2 R30_G2.1 | length 139
  Bottom Layer w10: R22_G2.2 C14_G2.1 R30_G2.1
NetC14_G3_1: 
NetC15_G1_1: C15_G1.1 R23_G1.2 R31_G1.1 | length 139
  Bottom Layer w10: R23_G1.2 C15_G1.1 R31_G1.1
NetC15_G2_1: C15_G2.1 R23_G2.2 R31_G2.1 | length 139
  Bottom Layer w10: R23_G2.2 C15_G2.1 R31_G2.1
NetC15_G3_1: 
NetC16_G1_1: C16_G1.1 R24_G1.2 R32_G1.1 | length 139
  Bottom Layer w10: R24_G1.2 C16_G1.1 R32_G1.1
NetC16_G2_1: C16_G2.1 R24_G2.2 R32_G2.1 | length 139
  Bottom Layer w10: R24_G2.2 C16_G2.1 R32_G2.1
NetC16_G3_1: 
NetC17_G1_1: C17_G1.1 R49_G1.2 R50_G1.1 | length 139
  Bottom Layer w10: R49_G1.2 C17_G1.1 R50_G1.1
NetC17_G2_1: C17_G2.1 R49_G2.2 R50_G2.1 | length 139
  Bottom Layer w10: R49_G2.2 C17_G2.1 R50_G2.1
NetC17_G3_1: 
NetQ1_2: Q1.2 R92.1 R93.1
NetQ1_3: Q1.3 R123.2 R124.2
NetR92_2: R92.2 U7.4
NetU4_7: U4.7 U4.10 U5.2 U6.7 U9.10
NetU4_15: U4.15 U6.10
NetU5_3: U5.3 U9.8
NetU7_3: U7.3 U12.14
NetU8_1: U8.1 U9.1
NetU8_4: U8.4 U9.2
NetU8_10: U8.10 U9.5
NetU9_3: U9.3 U9.4
NF: P31.33 R65.1 U1.2 U2.2 U3.2
NI#: P30.39 U15.13
NO#: P30.33 U12.9
O12#: U13.11
O13#: U13.10
O14#: U13.9
O15#: U13.7
OE#: U1.22 U2.22 U3.22 U5.4
OUT0: R55.1 R67.2 U1.13 U12.1 U13.1 U20.89
OUT1: R56.1 R69.2 U1.14 U12.2 U13.2 U20.88
OUT2: R57.1 R71.2 U1.15 U12.3 U13.3 U20.87
OUT3: R58.1 R73.2 U1.17 U12.4 U13.6 U14.4 U15.6 U20.86
PI#: P30.21 U14.14
PO#: P30.23 U12.13
RFU_M25: P32.26
RFU_M27: P32.28
RFU_M29: P32.30
RST#: P31.8 R66.1 TP4.1 U4.1 U6.1 U9.9
RU#: R85.1 TP1.1 U2.21 U4.9 U6.9 U20.71
SI#: P30.38 U15.12
SO#: P30.35 U12.7
UC0: R41.1 U1.12 U2.12 U3.12 U4.14 U8.2
UC1: R42.1 U1.11 U2.11 U3.11 U4.13 U8.3
UC2: R43.1 U1.10 U2.10 U3.10 U4.12 U8.5
UC3: R44.1 U1.9 U2.9 U3.9 U4.11 U8.6
UC4: R45.1 U1.8 U2.8 U3.8 U6.14 U8.8
UC5: R46.1 U1.7 U2.7 U3.7 U6.13 U8.9
UC20#: R87.1 U3.18 U20.67
UC21#: R88.1 U3.19 U20.66
UC22#: R89.1 U3.20 U20.65
UC23#: R90.1 U3.21 U20.64
VCC: P30.1 P30.2 P32.1 P32.2 R79.2 R80.2 R81.2 R82.2 R83.2 R84.2 R85.2 R86.2 R87.2 R88.2 R89.2 R90.2 R123.1 TP14.1 U1.31 U1.32 U2.31 U2.32 U3.31 U3.32 U4.16 U5.14 U6.16 U7.14 U8.14 U9.14 U12.6 U12.16 U13.16 U14.6 U14.16 U15.16
XI#: P31.37 U14.12
YI#: P31.39 U14.11
ZF: P31.29 R64.1 U1.3 U2.3 U3.3
pads on no net: P1_G1.1 P1_G1.2 P1_G1.5 P1_G1.39 P1_G1.40 P1_G2.1 P1_G2.2 P1_G2.5 P1_G2.39 P1_G2.40 P1_G3.1 P1_G3.2 P1_G3.5 P1_G3.39 P1_G3.40 P31.1 P31.2 P31.3 P31.4 P31.7 P31.11 P31.12 P31.13 P31.14 P31.15 P31.16 P31.17 P31.18 P31.19 P31.20 P31.21 P31.22 P31.23 P31.24 P31.25 P31.26 P31.27 P31.28 P31.30 P32.32 P32.34 P32.36 P32.38 P32.40 R47.1 R48.1 U1.1 U1.30 U2.1 U2.30 U3.1 U3.30 U5.8 U5.9 U5.10 U5.11 U5.12 U5.13 U5.15 U5.16 U6.11 U6.12 U6.15 U7.1 U7.2 U7.5 U7.6 U7.8 U7.9 U7.10 U7.11 U7.12 U7.13 U8.11 U8.12 U8.13 U8.15 U8.16 U8.17 U8.18 U8.19 U8.20 U9.11 U9.12 U9.13 U9.15 U9.16 U9.17 U9.18 U9.19 U9.20 U12.15 U14.15 U20.1 U20.2 U20.3 U20.4 U20.5 U20.6 U20.7 U20.8 U20.9 U20.10 U20.11 U20.12 U20.13 U20.14 U20.15 U20.16 U20.17 U20.18 U20.19 U20.20 U20.21 U20.22 U20.23 U20.24 U20.25 U20.26 U20.27 U20.28 U20.29 U20.30 U20.31 U20.32 U20.33 U20.34 U20.35 U20.36 U20.37 U20.38 U20.39 U20.40 U20.41 U20.42 U20.46 U20.47 U20.48 U20.49 U20.50 U20.51 U20.52 U20.61 U20.62 U20.63 U20.70 U20.80 U20.81 U20.90 U20.91 U20.92 U20.93 U20.94 U20.95 U20.96 U20.97 U20.98 U20.99 U20.100

## Silkscreen, mask and mechanical layers (free items; w line width, h text height)
Bottom Overlay:
  lines w5: 1450.39,7220.87 3750.39,7220.87 3750.39,7567.32 1450.39,7567.32 1450.39,7220.87 ; 4650.39,7220.87 6950.39,7220.87 6950.39,7567.32 4650.39,7567.32 4650.39,7220.87
Bottom Test Points:
  text "G1 / CH1: ABC / CH2: DEF" at 3000,6500 h60

## Text inside footprints (layer, text, board x,y; h text height)
P1_G1: Bottom Overlay "2" at 1550,7070 h50 r180; Bottom Overlay "1" at 1570,7170 h50 r180; Bottom Overlay "39" at 3610,7170 h50 r180; Bottom Overlay "40" at 3610,7070 h50 r180
P1_G2: Bottom Overlay "2" at 4755.01,7070 h50 r180; Bottom Overlay "1" at 4775.01,7170 h50 r180; Bottom Overlay "39" at 6815.01,7170 h50 r180; Bottom Overlay "40" at 6815.01,7070 h50 r180
P1_G3: Bottom Overlay "2" at 3700,1480 h50; Bottom Overlay "1" at 3680,1380 h50; Bottom Overlay "39" at 1640,1380 h50; Bottom Overlay "40" at 1640,1480 h50
P30: Top Overlay "1" at 1270,4600 h50 r90; Top Overlay "2" at 1170,4600 h50 r90; Top Overlay "40" at 1170,6680 h50 r90; Top Overlay "39" at 1270,6680 h50 r90
P31: Top Overlay "1" at 11220,4600 h50 r90; Top Overlay "2" at 11120,4600 h50 r90; Top Overlay "40" at 11120,6680 h50 r90; Top Overlay "39" at 11220,6680 h50 r90
P32: Top Overlay "1" at 1270,1700 h50 r90; Top Overlay "2" at 1170,1700 h50 r90; Top Overlay "40" at 1170,3780 h50 r90; Top Overlay "39" at 1270,3780 h50 r90